# Altium PCB ZLS_Levels.PcbDoc
Units mm, origin at the board's own origin, x right, y up, seen from the top; angles counter-clockwise.
Board outline 58.42 x 90.17 mm, 2 copper layers (Top Layer, Bottom Layer); 27 components, 45 nets, 218 pads, 17 vias.
Unrouted connection lines stored in the file: 7.
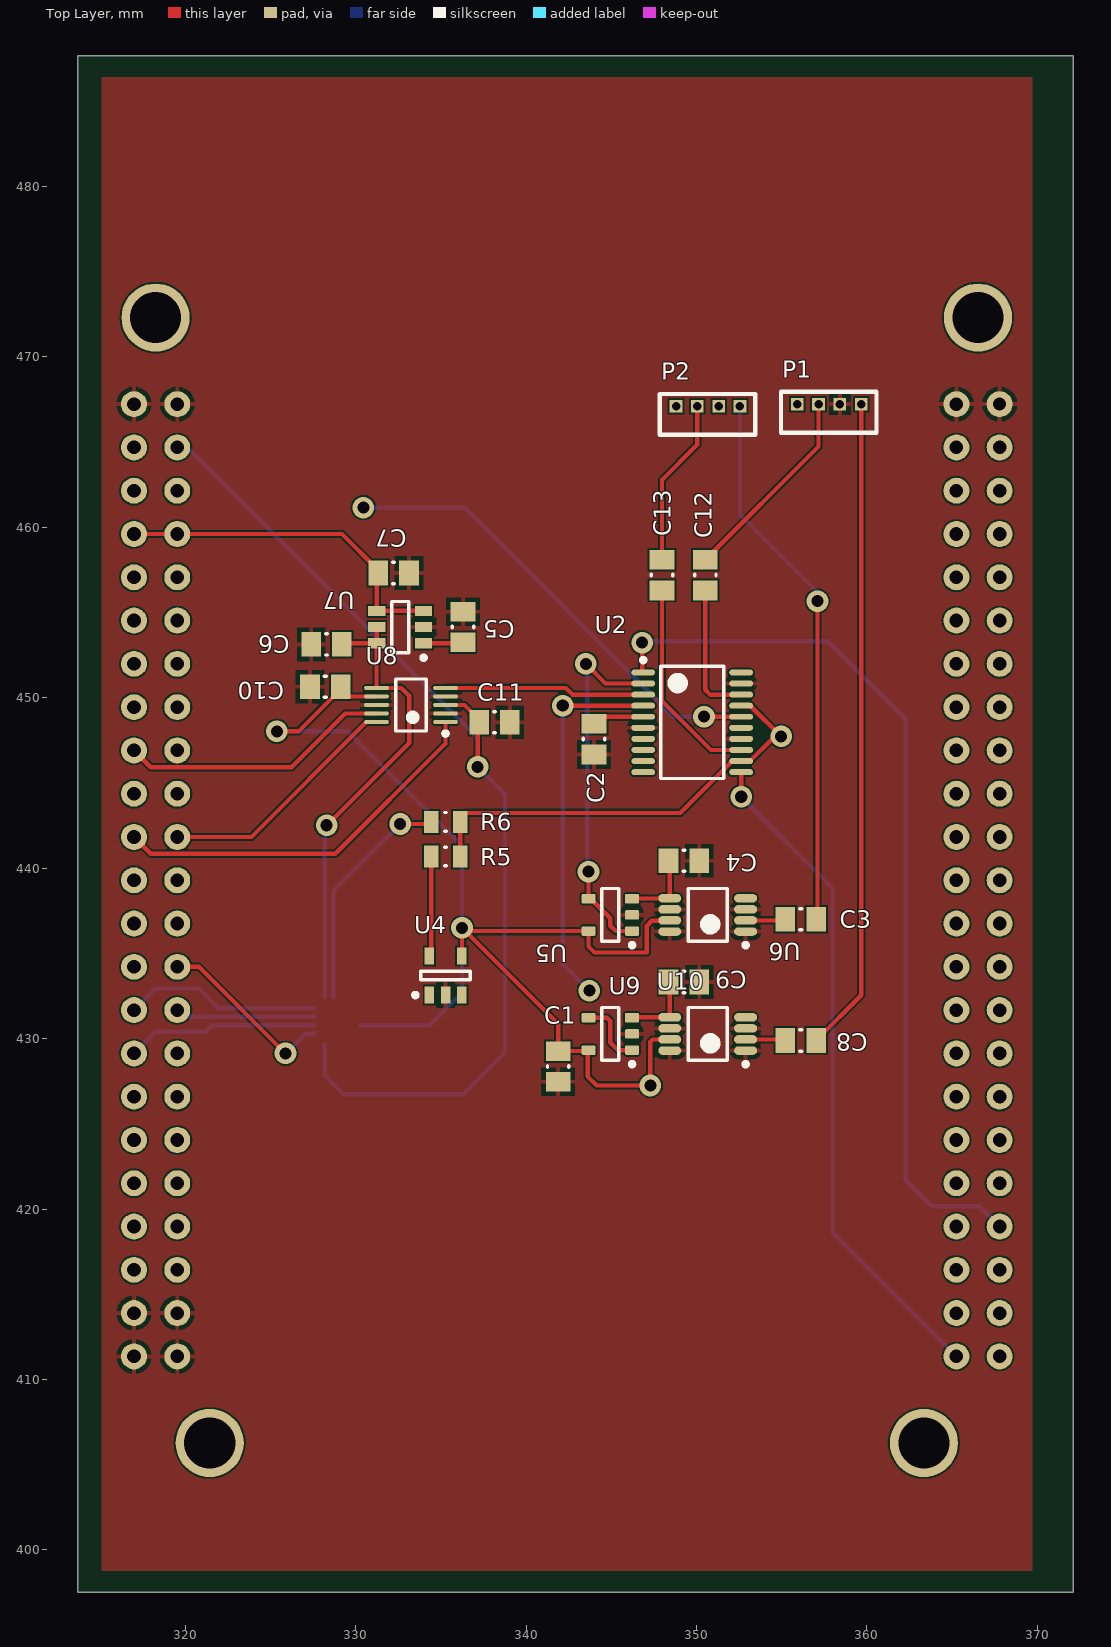
[diagram p0: Top Layer view]
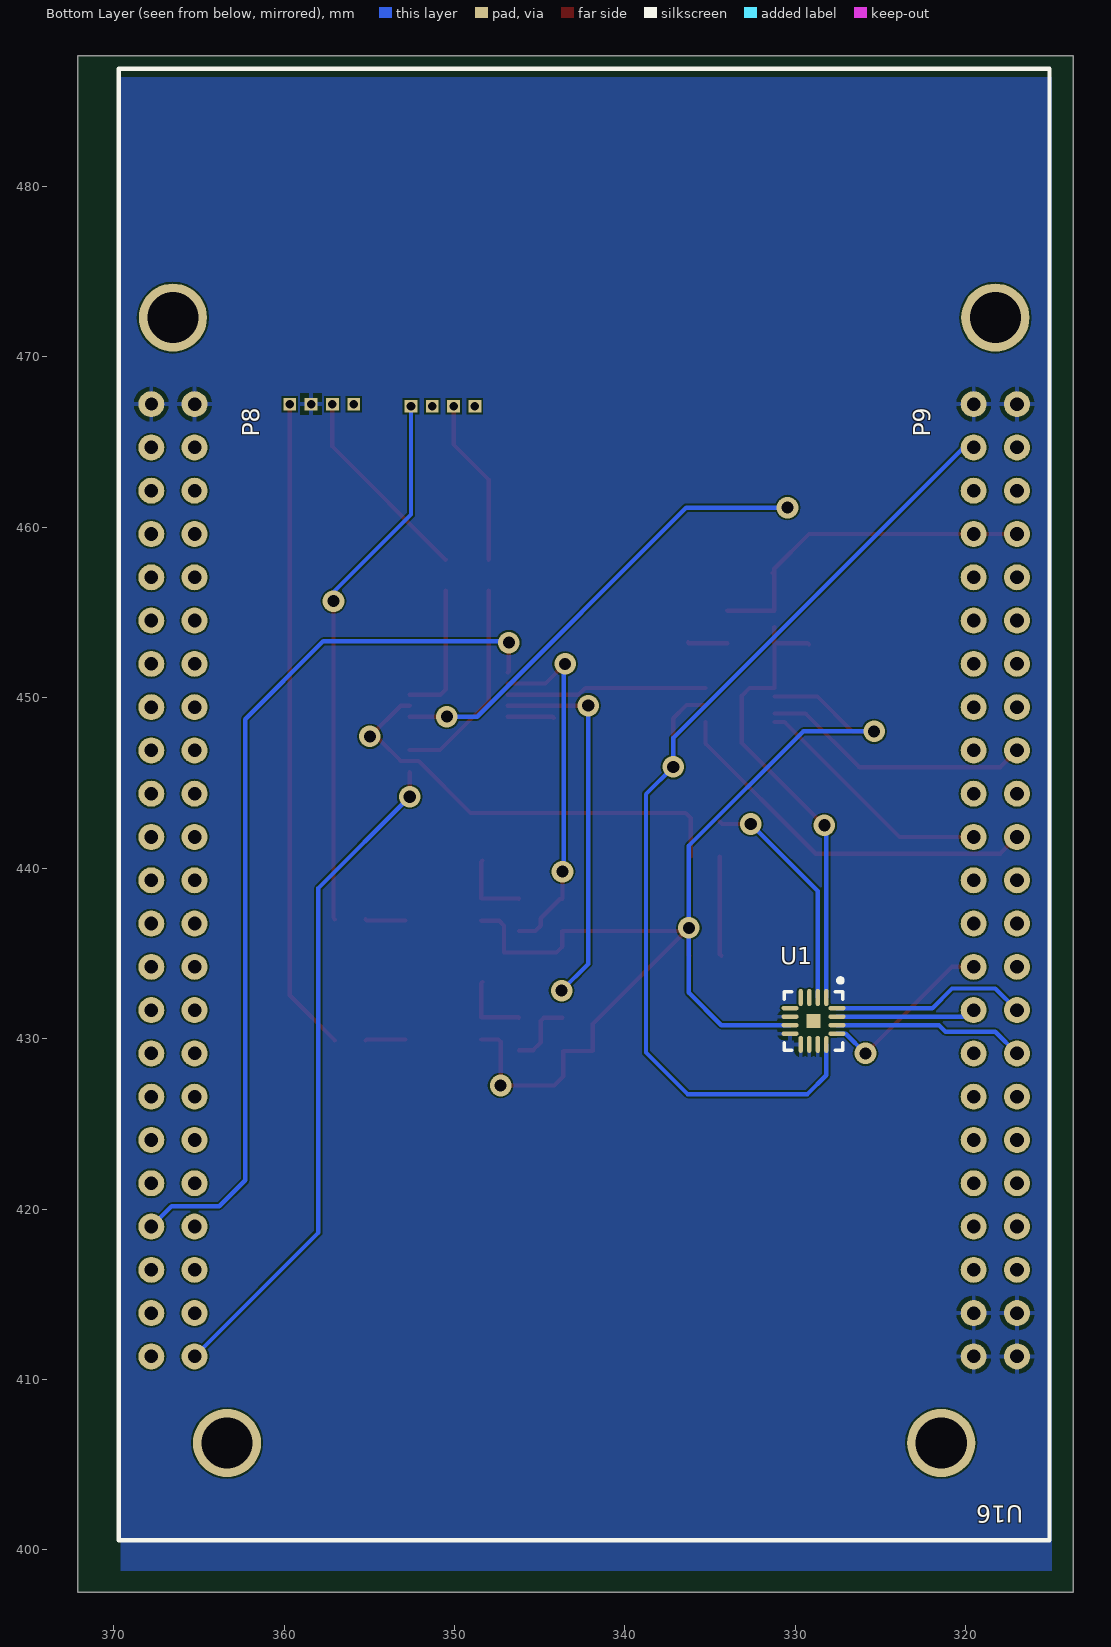
[diagram p1: Bottom Layer view, seen from below]

## Layer stack, top to bottom
Top Solder: solder mask 0.0102, Solder Resist, Dk 3.5
Top Layer: signal copper 0.0356
Dielectric 1: dielectric 0.32, FR-4, Dk 4.8
Bottom Layer: signal copper 0.0356
Bottom Solder: solder mask 0.0102, Solder Resist, Dk 3.5

## Board outline
372.11,487.68 313.69,487.68 313.69,397.51 372.11,397.51

## Design rules (kind name [scope] priority, off if disabled: settings)
Clearance [All] p1: gap=0.1 ignorepadtopadclearanceinfootprint=FALSE except(0: Arc-Hole Track-Hole SMDPad-Hole THPad-Hole Via-Hole Fill-Hole Poly-Hole Region-Hole Text-Hole)
HoleToHoleClearance [All] p1: gap=0.1 allowstackedmicrovias=TRUE
MinimumSolderMaskSliver [All] p1: minsoldermaskwidth=0.05
PolygonConnect [All] p1: connectstyle=Relief reliefconductorwidth=0.254 reliefentries=4 polygonreliefangle="90 Angle" airgapwidth=0.254
RoutingVias [All] p1: holewidth=0.711 width=1.27 viastyle="Through Hole" minholewidth=0.711 minwidth=1.27 maxholewidth=0.711 maxwidth=1.27
SilkToSilkClearance [All] p1: silktosilkclearance=0.1
SilkToSolderMaskClearance [IsPad] p1: minsilkscreentomaskgap=0.1 clearancetoexposedcopper=TRUE
SolderMaskExpansion [All] p1: expansion=0.095
Width [All] p1: maxlimit=0.254 minlimit=0.254 preferedwidth=0.254
26 further rules are at their usual default settings.

## Classes and differential pairs
component class Ref_DAC: U1 U4
component class ZLS_Signal_Conditioner: C1 C2 C3 C4 C5 C6 C7 C8 C9 C10 C11 C12 C13 P? R5 R6 U2 U5 U6 U7 U8 U9 U10
component class "BBB Headers": P1 P2 U16

## Components (designator, comment, footprint, x,y, rotation, side; value= is the part's Value field where it differs from the comment)
C1 "CAP CER 0.1UF 25V X7R 0805" CAPC0805(2012)145_N 341.884,428.371 r270 top
C2 "CAP CER 0.1UF 25V X7R 0805" CAPC0805(2012)145_N 343.992,447.573 r270 top
C3 "CAP CER 0.1UF 25V X7R 0805" CAPC0805(2012)145_N 356.119,437.007 r180 top
C4 "CAP CER 0.1UF 25V X7R 0805" CAPC0805(2012)145_N 349.261,440.436 r180 top
C5 "CAP CER 0.1UF 25V X7R 0805" CAPC0805(2012)145_N 336.296,454.152 r270 top
C6 "CAP CER 0.1UF 25V X7R 0805" CAPC0805(2012)145_N 328.295,453.136 r180 top
C7 "CAP CER 0.1UF 25V X7R 0805" CAPC0805(2012)145_N 332.232,457.327 r0 top
C8 "CAP CER 0.1UF 25V X7R 0805" CAPC0805(2012)145_N 356.119,429.895 r180 top
C9 "CAP CER 0.1UF 25V X7R 0805" CAPC0805(2012)145_N 349.261,433.324 r180 top
C10 "CAP CER 0.1UF 25V X7R 0805" CAPC0805(2012)145_N 328.219,450.647 r180 top
C11 "CAP CER 0.1UF 25V X7R 0805" CAPC0805(2012)145_N 338.15,448.564 r0 top
C12 "CAP CER 0.1UF 25V X7R 0805" CAPC0805(2012)145_N 350.52,457.2 r90 top
C13 "CAP CER 0.1UF 25V X7R 0805" CAPC0805(2012)145_N 347.98,457.2 r90 top
P1 "0530470410" 0530470410 359.664,467.233 r180 top
P2 "0530470410" 0530470410 352.552,467.106 r180 top
R5 "10k" RESC0805(2012)_L 335.28,440.69 r0 top
R6 "10k" RESC0805(2012)_L 335.28,442.722 r0 top
U1 "DAC80504" DAC80504 328.93,431.038 r270 bottom
U2 "MAX333AEUP+" TSOP65P640X90-20N 349.747,448.564 r0 top
U4 "LT6650CS5" LT-S5-5-TSOT-23_L 335.28,433.705 r90 top
U5 "OPA188AIDBVT" DBV0005A_L 344.943,437.261 r180 top
U6 "LTC1967" LTC1967 350.658,437.261 r180 top
U7 "MAX6070AAUT41+T" SOT95P280X445-6N 332.613,454.152 r180 top
U8 "MAX11100EUB+T" U10+2_L 333.248,449.58 r180 top
U9 "OPA188AIDBVT" DBV0005A_L 344.943,430.276 r180 top
U10 "LTC1967" LTC1967 350.658,430.276 r180 top
U16 "BBB" "Beaglebone Black" 342.392,439.293 r180 bottom locked

## Footprints (in the part's own frame and the unit in brackets; to place one, negate y for a bottom-side part, rotate by r counter-clockwise, add the part's x,y. Pads: shape width x height; smd on the part's side, far side on the other; paste and mask are expansions set on the pad)
0530470410 [mm] "CONN HEADER VERT 4POS 1.25MM"
  rect 0.75x0.75 hole 0.5: 1(0,0) 2(1.25,0) 3(2.5,0) 4(3.75,0)
  silkscreen extent -0.9,-0.73 4.7,1.68
"Beaglebone Black" [mil]
  round 60 hole 31.5: 8-1(-900,1100) 8-3(-900,1000) 8-4(-1000,1000) 8-5(-900,900) 8-6(-1000,900) 8-7(-900,800) 8-8(-1000,800) 8-9(-900,700) 8-10(-1000,700) 8-11(-900,600) 8-12(-1000,600) 8-13(-900,500) 8-14(-1000,500) 8-15(-900,400) 8-16(-1000,400) 8-17(-900,300) 8-18(-1000,300) 8-19(-900,200) 8-20(-1000,200) 8-21(-900,100) 8-22(-1000,100) 8-23(-900,0) 8-24(-1000,0) 8-25(-900,-100) 8-26(-1000,-100) 8-27(-900,-200) 8-28(-1000,-200) 8-29(-900,-300) 8-30(-1000,-300) 8-31(-900,-400) 8-32(-1000,-400) 8-33(-900,-500) 8-34(-1000,-500) 8-35(-900,-600) 8-36(-1000,-600) 8-37(-900,-700) 8-38(-1000,-700) 8-39(-900,-800) 8-40(-1000,-800) 8-41(-900,-900) 8-42(-1000,-900) 8-43(-900,-1000) 8-44(-1000,-1000) 8-45(-900,-1100) 8-46(-1000,-1100) 9-1(1000,1100) 9-2(900,1100) 9-3(1000,1000) 9-4(900,1000) 9-5(1000,900) 9-6(900,900) 9-7(1000,800) 9-8(900,800) 9-9(1000,700) 9-10(900,700) 9-11(1000,600) 9-12(900,600) 9-13(1000,500) 9-14(900,500) 9-15(1000,400) 9-16(900,400) 9-17(1000,300) 9-18(900,300) 9-19(1000,200) 9-20(900,200) 9-21(1000,100) 9-22(900,100) 9-23(1000,0) 9-24(900,0) 9-25(1000,-100) 9-26(900,-100) 9-27(1000,-200) 9-28(900,-200) 9-29(1000,-300) 9-30(900,-300) 9-31(1000,-400) 9-32(900,-400) 9-33(1000,-500) 9-34(900,-500) 9-35(1000,-600) 9-36(900,-600) 9-37(1000,-700) 9-38(900,-700) 9-39(1000,-800) 9-40(900,-800) 9-41(1000,-900) 9-42(900,-900) 9-43(1000,-1000) 9-44(900,-1000) 9-45(1000,-1100) 9-46(900,-1100)
  round 60 hole 30 paste+0: 8-2(-1000,1100)
  round 157.48 hole 118.11 paste+0: ""(-950,1300)
  round 157.48 hole 118.11: ""(-825,-1300) ""(825,-1300) ""(950,1300)
  silkscreen extent -1075,-1525 1075,1875, body extent -1078,-1586 1074,1975, height 493
CAPC0805(2012)145_N [mm] "Chip Capacitor, Body 2.0x1.2mm, Height 1.45mm, IPC Medium Density"
  rect 1.15x1.45 smd: 1(-0.9,0) 2(0.9,0)
  silkscreen extent -0.05,-0.62 0.05,0.63, body extent -1.1,-0.72 1.1,0.73, height 1.45
DAC80504 [mm]
  oval 1x0.25 smd: 1(-1.375,0.75) 2(-1.375,0.25) 3(-1.375,-0.25) 4(-1.375,-0.75) 9(1.375,-0.75) 10(1.375,-0.25) 11(1.375,0.25) 12(1.375,0.75)
  oval 0.25x1 smd: 5(-0.75,-1.375) 6(-0.25,-1.375) 7(0.25,-1.375) 8(0.75,-1.375) 13(0.75,1.375) 14(0.25,1.375) 15(-0.25,1.375) 16(-0.75,1.375)
  rect 0.8x0.8 smd: 17(0,0)
  silkscreen extent -2.5,-1.72 1.72,1.73, body extent -1.65,-1.65 1.66,1.65, height 0.8
DBV0005A_L [mm] "SOT23, 5-Leads, Body 3.05x1.75mm, Pitch 0.95mm, IPC High Density"
  rrect18% 0.8x0.55 smd: 1(-1.275,0.95) 2(-1.275,0) 3(-1.275,-0.95) 4(1.275,-0.95) 5(1.275,0.95)
  silkscreen extent -1.4,-1.55 0.5,1.9, body extent -1.42,-1.46 1.42,1.46, height 1.08
LT-S5-5-TSOT-23_L [mm] "SOT23, 5-Leads, Body 2.90x1.63mm, Pitch 0.95mm, IPC High Density"
  rect 1x0.55 smd: 1(-1.15,0.95) 2(-1.15,0) 3(-1.15,-0.95) 4(1.15,-0.95) 5(1.15,0.95)
  silkscreen extent -1.27,-1.45 0.25,1.9, body extent -0.87,-1.45 0.87,1.45, height 1
LTC1967 [mm]
  oval 1.35x0.5 smd: 1(-2.225,0.975) 2(-2.225,0.325) 3(-2.225,-0.325) 4(-2.225,-0.975) 5(2.225,-0.975) 6(2.225,-0.325) 7(2.225,0.325) 8(2.225,0.975)
  silkscreen extent -2.35,-1.55 1.15,1.9, body extent -2.45,-1.55 2.45,1.55, height 1.1
RESC0805(2012)_L [mm] "Chip Resistor, Body 2.0x1.3mm, IPC High Density"
  rect 0.85x1.3 smd: 1(-0.85,0) 2(0.85,0)
  silkscreen extent -0.05,-0.55 0.05,0.55, body extent -1.1,-0.67 1.1,0.68, height 0.7
SOT95P280X445-6N [mm] "SOT23, 6-Leads, Body 2.90x2.80mm, Pitch 0.95mm, IPC Medium Density"
  rect 1x0.6 smd: 1(-1.375,0.95) 2(-1.375,0) 3(-1.375,-0.95) 4(1.375,-0.95) 5(1.375,0) 6(1.375,0.95)
  silkscreen extent -1.5,-1.5 0.5,1.92, body extent -2.11,-1.78 2.11,1.73, height 1.08
TSOP65P640X90-20N [mm] "TSOP, 20-Leads, Body 6.50x4.40mm, Pitch 0.65mm, IPC Medium Density"
  oval 1.4x0.35 smd: 1(-2.875,2.925) 2(-2.875,2.275) 3(-2.875,1.625) 4(-2.875,0.975) 5(-2.875,0.325) 6(-2.875,-0.325) 7(-2.875,-0.975) 8(-2.875,-1.625) 9(-2.875,-2.275) 10(-2.875,-2.925) 11(2.875,-2.925) 12(2.875,-2.275) 13(2.875,-1.625) 14(2.875,-0.975) 15(2.875,-0.325) 16(2.875,0.325) 17(2.875,0.975) 18(2.875,1.625) 19(2.875,2.275) 20(2.875,2.925)
  silkscreen extent -3,-3.3 1.85,3.77, body extent -2.25,-3.3 2.25,3.3, height 0.9
U10+2_L [mm] "TSSOP, 10-Leads, Body 3x3mm, Pitch 0.5mm, IPC High Density"
  oval 1.45x0.25 smd: 1(-2.025,1) 2(-2.025,0.5) 3(-2.025,0) 4(-2.025,-0.5) 5(-2.025,-1) 6(2.025,-1) 7(2.025,-0.5) 8(2.025,0) 9(2.025,0.5) 10(2.025,1)
  silkscreen extent -2.15,-1.52 0.9,1.8, body extent -1.55,-1.55 1.55,1.55, height 1.1

## Part data
C1 C2 C3 C4 C5 C6 C7 C8 C9 C10 C11 C12 C13: library part CMP-1036-04795-1, Capacitance=0.1µF, Manufacturer="Murata Electronics North America", Manufacturer Part Number=GRM21BR71E104KA01L, Operating Temperature="-55°C ~ 125°C", Package / Case="0805 (2012 Metric)", Ratings=-, Supplier Part Number 1=490-1673-6-ND, Temperature Coefficient=X7R, Tolerance=±10%, Voltage - Rated=25V, Applications="General Purpose", Category=Capacitors, ComponentLink1Description=http://www.murata.com/~/media/webrenewal/support/library/catalog/products/capacitor/mlcc/c02e.ashx, ComponentLink1URL=http://www.murata.com/~/media/webrenewal/support/library/catalog/products/capacitor/mlcc/c02e.ashx, Features=-, Height - Seated (Max)=-, Lead Spacing=-, Lead Style=-, Mounting Type="Surface Mount, MLCC", Packaging=Digi-Reel®, Part Status=Active, Pricing 1="1=0.2, 10=0.145, 100=0.0683, 500=0.04788, 1000=0.03964 (USD)", RoHS="RoHS Compliant", Size / Dimension="0.079\" L x 0.049\" W (2.00mm x 1.25mm)", Stock 1=891652, Supplier 1=Digi-Key, Thickness (Max)="0.053\" (1.35mm)"
P1 P2: "CONN HEADER VERT 4POS 1.25MM", Color=Natural, Contact Resistance=20mR, Housing Color=White, Manufacturer=Molex, Max Operating Temperature=85°C, Max Voltage Rating (AC)=125V, Min Operating Temperature=-40°C, Supplier Part Number 1=WM1733-ND, ComponentLink1Description=http://components.arrow.com/part/dataview/2938462S4237926N3303?src-supplier=Arrow, ComponentLink1URL=http://components.arrow.com/part/dataview/2938462S4237926N3303?src-supplier=Arrow, Connector Type="Blade Pin", Contact Material=Bronze, Contact Mating Length=0.089inch, Contact Plating=Tin, Depth=3.2mm, Housing Material=Nylon, Length=6.75mm, Manufacturer Part Number=0530470410, Mount="Through Hole", Number of Contacts=4, Number of Positions=4, Number of Rows=1, Orientation=Straight, Packaging=Tray, Pitch=1.25mm, Pricing 1="1=0.28, 10=0.261, 100=0.183, 500=0.15688, 1000=0.13073, 5000=0.11205, 10000=0.10458 (USD)", Stock 1=21727, Supplier 1=Digi-Key, Termination=Solder
R5 R6: library part CMP-1013-00393-1, "RES SMD 0 OHM 1% 1/8W 0805"
U2: library part MAX333CWP+, "IC SWITCH QUAD SPDT 20TSSOP", Base Part Number=MAX333, Channel Capacitance (CS(off), CD(off))=5pF, Current - Leakage (IS(off)) (Max)=250pA, Manufacturer="Maxim Integrated", On-State Resistance (Max)="45 Ohm", Operating Temperature="-40°C ~ 85°C (TA)", Package / Case="20-TSSOP (0.173\", 4.40mm Width)", Supplier Device Package=20-TSSOP, Supplier Part Number 1=MAX333AEUP+-ND, Voltage - Supply, Dual (V±)="±4.5 V ~ 20 V", Voltage - Supply, Single (V+)="10 V ~ 30 V", -3db Bandwidth=-, Category="Integrated Circuits (ICs)", Channel-to-Channel Matching (&Delta;Ron)="2 Ohm (Max)", Charge Injection=2pC, ComponentLink1Description=https://pdfserv.maximintegrated.com/en/ds/MAX333A.pdf, ComponentLink1URL=https://pdfserv.maximintegrated.com/en/ds/MAX333A.pdf, Crosstalk="-78dB @ 1MHz", Manufacturer Part Number=MAX333AEUP+, Multiplexer/Demultiplexer Circuit=2:1, Packaging=Tube, Part Status=Active, Pricing 1="1=6.77, 10=6.432, 25=6, 50=5.8942 (USD)", RoHS="RoHS Compliant", Stock 1=1328, Supplier 1=Digi-Key, Switch Circuit=SPDT, Switch Time (Ton, Toff) (Max)="175ns, 145ns"
U4: library part CMP-1567-00009-1, "Micropower, 400 mV Reference with Rail-to-Rail Buffer Amplifier, 1.4 to 18 V, 0 to 70 degC, 5-Pin SOT-23 (S5)", Temperature Max="70 degC", Temperature Min="0 degC", Code_JEDEC=MO-193, ComponentLink1Description="Manufacturer URL", ComponentLink1URL=http://www.linear.com/, ComponentLink2Description=Datasheet, ComponentLink2URL=http://cds.linear.com/docs/en/datasheet/6650fa.pdf, ComponentLink3Description="Package Specification", ComponentLink3URL=http://cds.linear.com/docs/en/packaging/SOT_5_05-08-1635.pdf, Mounting Technology="Surface Mount", PackageDescription="5-Pin Plastic Thin Small Out-Line Transistor, Body 1.63 x 2.90 mm, Pitch 0.95 mm", PackageVersion="Rev. B, 06/2010", PartNumber=LT6650CS5, VIN Max="18 V", VIN Min="1.4 V"
U5 U9: library part CMP-0809-00006-2, "Precision, Low Noise, Rail-to-Rail Output, Zero-Drift Operational Amplifier, 4 to 36 V, -40 to 125 degC, 5-pin SOT23 (DBV5), Green (RoHS & no Sb/Br)", Manufacturer="Texas Instruments", Rating=Catalog, Total Supply Voltage(Max)(+5V is 5, +/-5V is 10)=36, Total Supply Voltage(Min)(+5V is 5, +/-5V is 10)=4, CMRR(Min)(dB)=120, Code_JEDEC=MO-178, ComponentLink1Description="Manufacturer URL", ComponentLink1URL=http://www.ti.com/, ComponentLink2Description=Datasheet, ComponentLink2URL=http://www.ti.com/lit/ds/symlink/opa188.pdf, ComponentLink3Description="Package Specification", ComponentLink3URL=http://www.ti.com/litv/pdf/mpds018i, DatasheetVersion=SBOS642A, Eco-Plan="Green (RoHS & no Sb/Br)", GBW(Typ)(MHz)=2, Iq per channel(Max)(mA)=0.51, Mounting Technology="Surface Mount", Number of Channels=1, Offset Drift(Typ)(uV/C)=0.03, PackageDescription="5-Pin Plastic Small Outline, Body 1.6 x 2.9 mm, Pitch 0.95 mm", PackageReference=DBV0005A, PackageVersion="4073253-4/K, 03/2006", PartNumber=OPA188AIDBVT, Slew Rate(Typ)(V/us)=0.8, SubFamily="Zero Drift Precision Amplifier"
U6 U10: "IC CONVERTER RMS-DC PREC 9MSOP"
U7: "IC VREF SERIES 5V SOT23-6", Case/Package=SOT-23-6, Manufacturer=Maxim, Manufacturer Part Number=MAX6070AAUT50+T, Max Input Voltage=5.5V, Max Operating Temperature=125°C, Min Input Voltage=2.7V, Min Operating Temperature=-40°C, Min Output Voltage=5V, Operating Supply Current=330uA, Output Current=10mA, Package Quantity=2500, Quiescent Current=250uA, Temperature Coefficient=6ppm/°C, Tolerance=0.04%, ComponentLink1Description=http://www.mouser.com/ds/2/256/MAX6070-MAX6071-217862.pdf?src-supplier=Mouser, ComponentLink1URL=http://www.mouser.com/ds/2/256/MAX6070-MAX6071-217862.pdf?src-supplier=Mouser, ComponentLink2Description=https://media.digikey.com/pdf/Data%20Sheets/Maxim%20PDFs/PartNumberBreakdown_ds.pdf?src-supplier=Digi-Key, ComponentLink2URL=https://media.digikey.com/pdf/Data%20Sheets/Maxim%20PDFs/PartNumberBreakdown_ds.pdf?src-supplier=Digi-Key, Mount="Surface Mount", Number of Channels=1, Output Type=Fixed, Output Voltage=5V, Packaging="Tape and Reel", Pricing 1="2500=1.69, 5000=1.69, 10000=1.59, 15000=1.59, 25000=1.49 (USD)", Reference Type=Series, Stock 1=2500, Supplier 1=Avnet, Supplier Part Number 1=MAX6070AAUT50+T
U8: library part CMP-0249-00017-1, "16-Bit, +5V, 200ksps ADC with 10uA Shutdown, 10-Pin uMAX, -40°C to +85°C, Pb-Free, Tape and Reel", Code_JEDEC=MO-187-BA, ComponentLink1Description="Manufacturer URL", ComponentLink1URL=http://www.maxim-ic.com, ComponentLink2Description=Datasheet, ComponentLink2URL=http://datasheets.maxim-ic.com/en/ds/MAX11100.pdf, ComponentLink3Description="Package Specification", ComponentLink3URL=http://pdfserv.maxim-ic.com/package_dwgs/21-0061.PDF, DatasheetVersion="Rev 1, Jan-2012", PackageDescription="10-Pin Micro-MAX Thin Shrink Small Outline (uSOP), 3 x 3 x 0.85 mm Body, 0.5 mm Pitch, Pb-Free", PackageReference=U10+2, PackageVersion="revL, 2008"
U16: library part Beaglebone_Black, "Beaglebone Black", Current Rating=-, Insulation Color=Black, Manufacturer="Molex, LLC", Manufacturer Part Number=0010897462, Material Flammability Rating="UL94 V-0", Supplier Part Number 1=WM50012-46-ND, Applications="Automotive, General Purpose, Lighting, Medical, Telecommunications", Category="Connectors, Interconnects", ComponentLink1Description=http://www.molex.com/pdm_docs/sd/010897041_sd.pdf, ComponentLink1URL=http://www.molex.com/pdm_docs/sd/010897041_sd.pdf, Connector Type="Header, Breakaway", Contact Finish - Mating=Gold, Contact Finish - Post=Tin, Contact Finish Thickness - Mating="15µin (0.38µm)", Contact Finish Thickness - Post="74.8µin (1.90µm)", Contact Length - Mating="0.240\" (6.10mm)", Contact Length - Post="0.107\" (2.71mm)", Contact Material="Copper Alloy", Contact Shape=Square, Contact Type="Male Pin", Fastening Type=-, Features=-, Ingress Protection=-, Insulation Height="0.090\" (2.29mm)", Insulation Material="Liquid Crystal Polymer (LCP), Glass Filled", Mated Stacking Heights=-, Mounting Type="Through Hole", Number of Positions=46, Number of Positions Loaded=All, Number of Rows=2, Operating Temperature=-, Overall Contact Length="0.437\" (11.10mm)", Packaging=Bulk, Part Status=Active, Pitch - Mating="0.100\" (2.54mm)", Pricing 1="1=7.65, 10=7.336, 25=6.698, 50=6.379, 100=6.0601, 250=5.4222, 500=5.10324 (USD)", RoHS="RoHS Compliant", Row Spacing - Mating="0.100\" (2.54mm)", Shrouding=Unshrouded, Stock 1=407, Style="Board to Board or Cable", Supplier 1=Digi-Key, Termination=Solder, Voltage Rating=-

## Via types
v1: diameter 1.27, hole 0.711, Top Layer to Bottom Layer, 17 vias

## Nets (pads, with @x,y where several pads share a name; then routed paths per layer and width w, separated by ;. In a path a pad name is that pad's centre, name@x,y a point inside that pad or via, vN(x,y) a via of type N, cw(c..) or ccw(c..) an arc to the next point about the centre after c; other vN are vias at no path point)
+3.3: C11.1 U1.12 U8.3 U16.9-3 U16.9-4 | length 62.7
  Top Layer w0.254: U8.3 336.384,449.58 337.16,448.805 v1(337.16,445.948)
  Bottom Layer w0.254: U16.9-4 320.116,464.693 337.16,447.65 v1(337.16,445.948) 338.76,444.348 338.76,429.184 336.321,426.745 329.286,426.745 328.18,427.851 U1.12
+5: C1.1 C7.1 C10.1 U1.7 U2.16 U4.4 U5.5 U6.7 U7.3 U7.4 U8.7 U9.5 U10.7 U16.9-7 U16.9-8 | length 120.6
  Top Layer w0.254: U16.9-7 329.196,459.613 331.238,457.571 C7.1@331.238,457.327 ; v1@325.399,448.437 325.374,448.412 v1(325.374,448.031) 326.653,448.031 328.702,450.08 U8.7 ; C7.1 331.238,457.233 U7.4 U7.3 ; U4.4 336.245,434.87 v1(336.245,436.499) v1@336.433,436.311 ; U10.7 347.426,429.951 347.294,429.819 v1(347.294,427.253) 344.145,427.253 343.613,427.785 343.613,429.271 C1.1 341.884,430.86 v1@336.433,436.311 ; U6.7 348.409,436.912 347.377,436.912 347.091,436.626 347.091,435.051 344.018,435.051 343.668,435.401 U5.5 v1@336.433,436.311 ; v1(350.444,448.894) 350.446,448.892 352.619,448.892 U2.16
  Bottom Layer w0.254: v1(325.374,448.031) 329.54,448.031 336.245,441.325 v1(336.245,436.499) 336.245,432.689 334.344,430.788 U1.7 ; v1(330.454,461.162) 336.398,461.162 348.666,448.894 v1(350.444,448.894)
"+5 BBB": U16.9-5 U16.9-6
-5: C2.1 U2.5 | length 2.7
  Top Layer w0.254: C2.1@344.17,448.818 344.241,448.889 U2.5
"ADC REF": C6.1 U1.1 U7.5 U7.6 U8.6 | length 27.6
  Top Layer w0.254: v1@328.295,442.468 328.295,442.493 333.146,447.345 333.146,450.113 332.68,450.58 U8.6 331.223,453.187 U7.6 ; C6.1 329.261,453.202 U7.6 ; U7.5 U7.6
  Bottom Layer w0.254: U1.1 328.18,442.404 v1(328.295,442.519)
ADC_In: U2.3 U8.5 | length 11.8
  Top Layer w0.254: U8.5 342.332,450.58 342.723,450.189 U2.3
Cross_Blue: C12.1 U2.18 | length 8
  Top Layer w0.254: C12.1 350.52,450.469 350.8,450.189 U2.18
Cross_Out: U2.4 U9.1 U9.4 | length 26.2
  Top Layer w0.254: v1(342.154,449.539) U2.4 ; U9.4 344.755,431.226 344.943,431.038 344.943,429.768 345.385,429.326 U9.1
  Bottom Layer w0.254: v1(342.154,449.539) 342.154,434.375 v1(343.713,432.816)
DAC0_OUT: R6.1 U1.2 | length 13.7
  Top Layer w0.254: v1(332.613,442.595) 334.303,442.595 R6.1
  Bottom Layer w0.254: U1.2 328.68,438.662 v1(332.613,442.595)
GND: C1.2 C2.2 C4.1 C5.1 C6.2 C7.2 C9.1 C10.2 C11.2 P1.2 U1.6 U1.8 U1.9 U1.10 U1.11 U2.6 U2.14 U2.19 U4.2 U5.2 U6.1 U6.3 U6.6 U6.8 U7.2 U8.2 U8.4 U8.8 U9.2 U10.1 U10.3 U10.6 U10.8 U16.8-1 U16.8-2 U16.9-1 U16.9-2 U16.9-43 U16.9-44 U16.9-45 U16.9-46
"GPIO 1-28": U16.9-12
I2C2_SCL: U16.9-19
I2C2_SDA: U16.9-20
Levels_PWM: U2.11 U2.20 U16.8-45 | length 39.5
  Top Layer w0.254: U2.11 352.628,445.633 v1(352.628,444.195)
  Bottom Layer w0.254: v1(352.628,444.195) 357.988,438.836 357.988,418.617 U16.8-45
Long_Blue: C13.1 U2.13 | length 12.3
  Top Layer w0.254: C13.1 347.98,449.812 350.853,446.939 U2.13
Long_Out: U2.2 U5.1 U5.4 | length 21.3
  Top Layer w0.254: v1(343.51,451.993) 344.664,450.839 U2.2 ; v1(343.662,439.801) 343.662,438.217 U5.4 343.793,438.211 344.943,437.061 344.943,436.626 345.258,436.311 U5.1
  Bottom Layer w0.254: v1(343.51,451.993) 343.586,451.917 343.586,439.877 v1(343.662,439.801)
LVL_CTL: U2.1 U16.8-40 | length 52.8
  Top Layer w0.254: v1(346.812,453.238) 346.812,451.533 346.856,451.489 U2.1
  Bottom Layer w0.254: v1@346.812,453.314 357.708,453.314 362.28,448.742 362.28,421.691 363.804,420.167 366.598,420.167 U16.8-40
NetC3_1: C3.1 P2.1 | length 32
  Top Layer w0.254: C3.1 357.099,437.087 v1(357.099,455.676)
  Bottom Layer w0.254: P2.1 352.552,460.756 357.124,456.184 357.099,456.159 v1(357.099,455.676)
NetC3_2: C3.2 U6.2 | length 2.4
  Top Layer w0.254: U6.2 355.148,436.936 C3.2
NetC4_2: C4.2 U5.3 U6.5 | length 4.5
  Top Layer w0.254: U5.3 346.231,438.223 348.42,438.223 U6.5 348.433,440.364 C4.2
NetC5_2: C5.2 U7.1 | length 2.3
  Top Layer w0.254: U7.1 336.246,453.202 C5.2
NetC8_1: C8.1 P1.1 | length 38.4
  Top Layer w0.254: C8.1 359.664,432.54 P1.1
NetC8_2: C8.2 U10.2 | length 2.4
  Top Layer w0.254: U10.2 355.163,429.951 C8.2
NetC9_2: C9.2 U9.3 U10.5 | length 4.3
  Top Layer w0.254: U9.3 346.243,431.251 U10.5 348.433,433.252 C9.2
NetC12_2: C12.2 P1.3 | length 11.9
  Top Layer w0.254: C12.2 357.164,464.744 P1.3
NetC13_2: C13.2 P2.3 | length 9.9
  Top Layer w0.254: C13.2 347.98,462.788 350.052,464.86 P2.3
NetP2_2: P2.2
NetR5_1: R5.1 U4.5 | length 5.9
  Top Layer w0.254: U4.5 334.43,434.955 R5.1
NetU16_8-13: U16.8-13
NetU16_8-19: U16.8-19
NetU16_9-9: U16.9-9
NetU16_9-14: U16.9-14
NetU16_9-16: U16.9-16
Serial4_RX: U16.9-11
Serial4_TX: U16.9-13
SPI0_CS0: U8.9 U16.9-17 | length 15.9
  Top Layer w0.254: U16.9-17 317.981,445.924 326.239,445.924 329.395,449.08 U8.9
SPI0_MISO: U8.1 U16.9-21 | length 22.6
  Top Layer w0.254: U16.9-21 317.981,440.844 328.805,440.844 335.273,447.312 U8.1
SPI0_MOSI: U16.9-18
SPI0_SCLK: U8.10 U16.9-22 | length 14.5
  Top Layer w0.254: U16.9-22 323.88,441.833 330.627,448.58 U8.10
SPI1_CS0: U1.13 U16.9-28 | length 10.6
  Top Layer w0.254: U16.9-28 320.802,434.213 v1(325.882,429.133)
  Bottom Layer w0.254: v1(325.882,429.133) 327.037,430.288 U1.13
SPI1_CS1: U16.9-42
SPI1_MISO: U1.16 U16.9-29 | length 11.6
  Bottom Layer w0.254: U16.9-29 318.262,432.943 320.802,432.943 321.957,431.788 U1.16
SPI1_MOSI: U1.15 U16.9-30 | length 8.2
  Bottom Layer w0.254: U16.9-30 319.917,431.288 U1.15
SPI1_SCLK: U1.14 U16.9-31 | length 11.2
  Bottom Layer w0.254: U16.9-31 318.262,430.403 321.183,430.403 321.568,430.788 U1.14
VOUT+: R5.2 R6.2 U2.12 U2.17 | length 26.2
  Top Layer w0.254: R5.2 336.13,442.947 336.428,443.245 349.053,443.245 352.097,446.289 353.147,446.289 354.402,447.544 354.771,447.544 v1(354.965,447.738) 354.956,447.738 353.156,449.539 U2.17
pads on no net: P1.4 P2.4 U1.3 U1.4 U1.5 U1.17 U2.7 U2.8 U2.9 U2.10 U2.15 U4.1 U4.3 U6.4 U10.4 U16. U16.8-3 U16.8-4 U16.8-5 U16.8-6 U16.8-7 U16.8-8 U16.8-9 U16.8-10 U16.8-11 U16.8-12 U16.8-14 U16.8-15 U16.8-16 U16.8-17 U16.8-18 U16.8-20 U16.8-21 U16.8-22 U16.8-23 U16.8-24 U16.8-25 U16.8-26 U16.8-27 U16.8-28 U16.8-29 U16.8-30 U16.8-31 U16.8-32 U16.8-33 U16.8-34 U16.8-35 U16.8-36 U16.8-37 U16.8-38 U16.8-39 U16.8-41 U16.8-42 U16.8-43 U16.8-44 U16.8-46 U16.9-10 U16.9-15 U16.9-23 U16.9-24 U16.9-25 U16.9-26 U16.9-27 U16.9-32 U16.9-33 U16.9-34 U16.9-35 U16.9-36 U16.9-37 U16.9-38 U16.9-39 U16.9-40 U16.9-41

## Polygon pours and split planes (outlines as drawn)
GND on Bottom Layer "GND_L02_P000" (solid, pour order 0): 314.96,486.41 314.96,398.78 365.76,398.78 368.3,398.78 369.57,398.78 369.57,486.41
GND on Top Layer "GND_L01_P002" (solid, pour order 2): 315.087,486.41 315.087,398.78 365.887,398.78 368.427,398.78 369.697,398.78 369.697,486.41